# KiCad board ILM139C.kicad_pcb
title: ILM139CM RGB LED matrix; date: 24.04.2025.; rev: v0.1.0; company: EDrTech d.o.o.
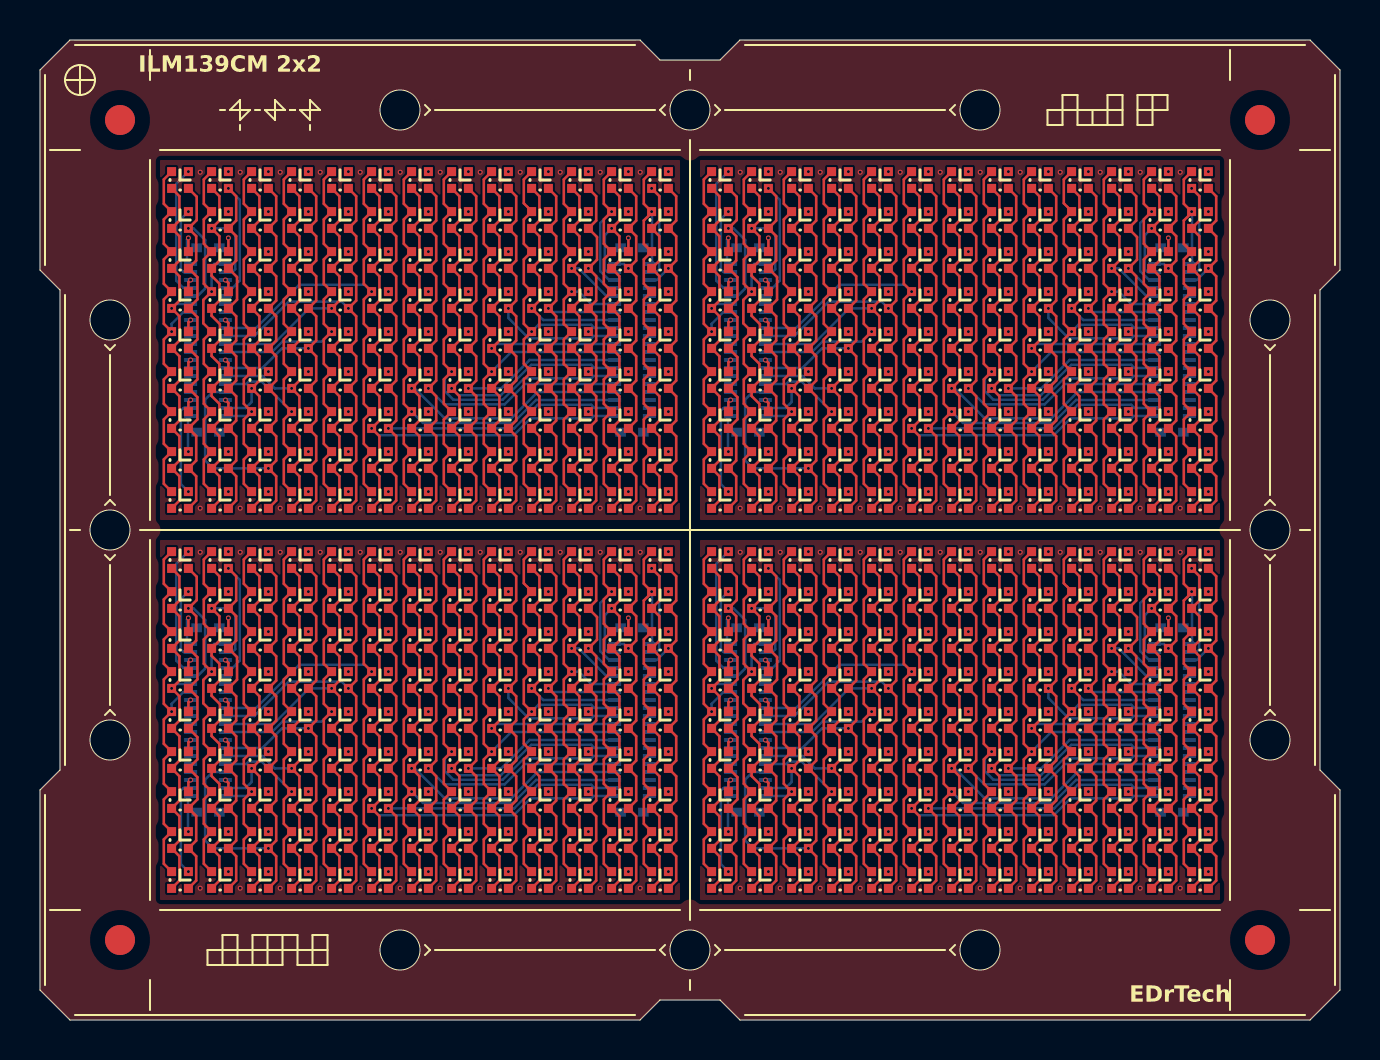
[diagram p0: board, top side]
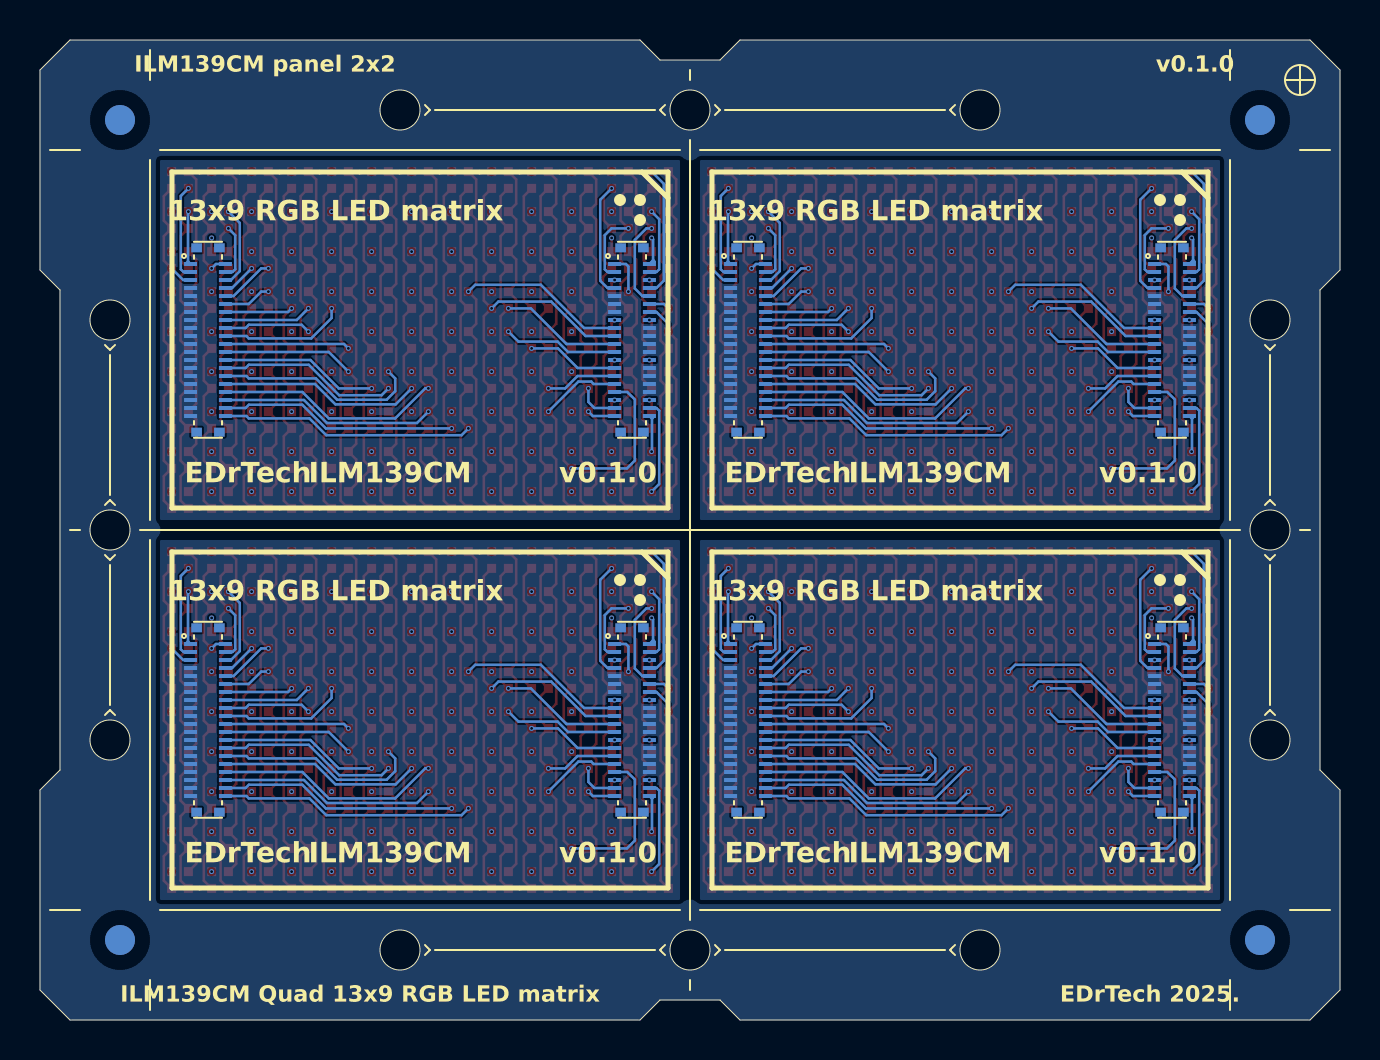
[diagram p1: board, bottom side, seen from below]

Outline 65 x 49 mm; copper layers: Top, In1.Cu, In2.Cu, Bottom. Coordinates in mm from the lower left corner of the outline.
Outline path: circle c3.5,35 r1 ; circle c3.5,24.5 r1 ; circle c3.5,14 r1 ; circle c18,45.5 r1 ; circle c18,3.5 r1 ; circle c32.5,45.5 r1 ; circle c32.5,3.5 r1 ; circle c47,45.5 r1 ; circle c47,3.5 r1 ; circle c61.5,35 r1 ; circle c61.5,24.5 r1 ; circle c61.5,14 r1 ; 0,47.5 1.5,49 30,49 31,48 34,48 35,49 63.5,49 65,47.5 65,37.5 64,36.5 64,12.5 65,11.5 65,1.5 63.5,0 35,0 34,1 31,1 30,0 1.5,0 0,1.5 0,11.5 1,12.5 1,36.5 0,37.5 0,47.5
Stack: Top 0.035mm / dielectric 0.2104mm FR4 er 4.5 / In1.Cu 0.0152mm / dielectric 0.25mm FR4 er 4.5 / In2.Cu 0.0152mm / dielectric 0.2104mm FR4 er 4.5 / Bottom 0.035mm

## Placement (name value [footprint] x y rotation side)
CN3  AXE640124D  [CONN-SMD_40P-P0.40_OK-14GM040-04]  29.6 15 270 bottom
CN3#2  AXE640124D  [CONN-SMD_40P-P0.40_OK-14GM040-04]  56.6 34 270 bottom
CN3#3  AXE640124D  [CONN-SMD_40P-P0.40_OK-14GM040-04]  29.6 34 270 bottom
CN3#4  AXE640124D  [CONN-SMD_40P-P0.40_OK-14GM040-04]  56.6 15 270 bottom
CN4  AXE640124D  [CONN-SMD_40P-P0.40_OK-14GM040-04]  8.4 15 270 bottom
CN4#2  AXE640124D  [CONN-SMD_40P-P0.40_OK-14GM040-04]  8.4 34 270 bottom
CN4#3  AXE640124D  [CONN-SMD_40P-P0.40_OK-14GM040-04]  35.4 15 270 bottom
CN4#4  AXE640124D  [CONN-SMD_40P-P0.40_OK-14GM040-04]  35.4 34 270 bottom
REF**  -  [Fiducial_1.5mm_Mask3mm]  4 4 0 top
REF**#2  -  [Fiducial_1.5mm_Mask3mm]  4 45 0 top
REF**#3  -  [Fiducial_1.5mm_Mask3mm]  61 4 0 top
REF**#4  -  [Fiducial_1.5mm_Mask3mm]  61 45 0 top
REF**#5  -  [Fiducial_1.5mm_Mask3mm]  4 45 180 bottom
REF**#6  -  [Fiducial_1.5mm_Mask3mm]  61 4 180 bottom
REF**#7  -  [Fiducial_1.5mm_Mask3mm]  4 4 180 bottom
REF**#8  -  [Fiducial_1.5mm_Mask3mm]  61 45 180 bottom
U2  XL-B1010RGBT-HF  [LED-SMD_4P-L1.0-W1.0-TR_1]  34 23 0 top
U2#2  XL-B1010RGBT-HF  [LED-SMD_4P-L1.0-W1.0-TR_1]  7 23 0 top
U2#3  XL-B1010RGBT-HF  [LED-SMD_4P-L1.0-W1.0-TR_1]  7 42 0 top
U2#4  XL-B1010RGBT-HF  [LED-SMD_4P-L1.0-W1.0-TR_1]  34 42 0 top
U3  XL-B1010RGBT-HF  [LED-SMD_4P-L1.0-W1.0-TR_1]  34 40 0 top
U3#2  XL-B1010RGBT-HF  [LED-SMD_4P-L1.0-W1.0-TR_1]  7 21 0 top
U3#3  XL-B1010RGBT-HF  [LED-SMD_4P-L1.0-W1.0-TR_1]  7 40 0 top
U3#4  XL-B1010RGBT-HF  [LED-SMD_4P-L1.0-W1.0-TR_1]  34 21 0 top
U4  XL-B1010RGBT-HF  [LED-SMD_4P-L1.0-W1.0-TR_1]  7 19 0 top
U4#2  XL-B1010RGBT-HF  [LED-SMD_4P-L1.0-W1.0-TR_1]  34 38 0 top
U4#3  XL-B1010RGBT-HF  [LED-SMD_4P-L1.0-W1.0-TR_1]  7 38 0 top
U4#4  XL-B1010RGBT-HF  [LED-SMD_4P-L1.0-W1.0-TR_1]  34 19 0 top
U5  XL-B1010RGBT-HF  [LED-SMD_4P-L1.0-W1.0-TR_1]  34 36 0 top
U5#2  XL-B1010RGBT-HF  [LED-SMD_4P-L1.0-W1.0-TR_1]  34 17 0 top
U5#3  XL-B1010RGBT-HF  [LED-SMD_4P-L1.0-W1.0-TR_1]  7 36 0 top
U5#4  XL-B1010RGBT-HF  [LED-SMD_4P-L1.0-W1.0-TR_1]  7 17 0 top
U6  XL-B1010RGBT-HF  [LED-SMD_4P-L1.0-W1.0-TR_1]  7 34 0 top
U6#2  XL-B1010RGBT-HF  [LED-SMD_4P-L1.0-W1.0-TR_1]  34 34 0 top
U6#3  XL-B1010RGBT-HF  [LED-SMD_4P-L1.0-W1.0-TR_1]  34 15 0 top
U6#4  XL-B1010RGBT-HF  [LED-SMD_4P-L1.0-W1.0-TR_1]  7 15 0 top
U7  XL-B1010RGBT-HF  [LED-SMD_4P-L1.0-W1.0-TR_1]  7 32 0 top
U7#2  XL-B1010RGBT-HF  [LED-SMD_4P-L1.0-W1.0-TR_1]  34 13 0 top
U7#3  XL-B1010RGBT-HF  [LED-SMD_4P-L1.0-W1.0-TR_1]  7 13 0 top
U7#4  XL-B1010RGBT-HF  [LED-SMD_4P-L1.0-W1.0-TR_1]  34 32 0 top
U8  XL-B1010RGBT-HF  [LED-SMD_4P-L1.0-W1.0-TR_1]  7 30 0 top
U8#2  XL-B1010RGBT-HF  [LED-SMD_4P-L1.0-W1.0-TR_1]  7 11 0 top
U8#3  XL-B1010RGBT-HF  [LED-SMD_4P-L1.0-W1.0-TR_1]  34 30 0 top
U8#4  XL-B1010RGBT-HF  [LED-SMD_4P-L1.0-W1.0-TR_1]  34 11 0 top
U9  XL-B1010RGBT-HF  [LED-SMD_4P-L1.0-W1.0-TR_1]  7 9 0 top
U9#2  XL-B1010RGBT-HF  [LED-SMD_4P-L1.0-W1.0-TR_1]  7 28 0 top
U9#3  XL-B1010RGBT-HF  [LED-SMD_4P-L1.0-W1.0-TR_1]  34 9 0 top
U9#4  XL-B1010RGBT-HF  [LED-SMD_4P-L1.0-W1.0-TR_1]  34 28 0 top
U10  XL-B1010RGBT-HF  [LED-SMD_4P-L1.0-W1.0-TR_1]  34 26 0 top
U10#2  XL-B1010RGBT-HF  [LED-SMD_4P-L1.0-W1.0-TR_1]  7 26 0 top
U10#3  XL-B1010RGBT-HF  [LED-SMD_4P-L1.0-W1.0-TR_1]  7 7 0 top
U10#4  XL-B1010RGBT-HF  [LED-SMD_4P-L1.0-W1.0-TR_1]  34 7 0 top
U11  XL-B1010RGBT-HF  [LED-SMD_4P-L1.0-W1.0-TR_1]  36 42 0 top
U11#2  XL-B1010RGBT-HF  [LED-SMD_4P-L1.0-W1.0-TR_1]  36 23 0 top
U11#3  XL-B1010RGBT-HF  [LED-SMD_4P-L1.0-W1.0-TR_1]  9 23 0 top
U11#4  XL-B1010RGBT-HF  [LED-SMD_4P-L1.0-W1.0-TR_1]  9 42 0 top
U12  XL-B1010RGBT-HF  [LED-SMD_4P-L1.0-W1.0-TR_1]  9 40 0 top
U12#2  XL-B1010RGBT-HF  [LED-SMD_4P-L1.0-W1.0-TR_1]  36 40 0 top
U12#3  XL-B1010RGBT-HF  [LED-SMD_4P-L1.0-W1.0-TR_1]  36 21 0 top
U12#4  XL-B1010RGBT-HF  [LED-SMD_4P-L1.0-W1.0-TR_1]  9 21 0 top
U13  XL-B1010RGBT-HF  [LED-SMD_4P-L1.0-W1.0-TR_1]  9 38 0 top
U13#2  XL-B1010RGBT-HF  [LED-SMD_4P-L1.0-W1.0-TR_1]  36 38 0 top
U13#3  XL-B1010RGBT-HF  [LED-SMD_4P-L1.0-W1.0-TR_1]  9 19 0 top
U13#4  XL-B1010RGBT-HF  [LED-SMD_4P-L1.0-W1.0-TR_1]  36 19 0 top
U14  XL-B1010RGBT-HF  [LED-SMD_4P-L1.0-W1.0-TR_1]  36 36 0 top
U14#2  XL-B1010RGBT-HF  [LED-SMD_4P-L1.0-W1.0-TR_1]  36 17 0 top
U14#3  XL-B1010RGBT-HF  [LED-SMD_4P-L1.0-W1.0-TR_1]  9 36 0 top
U14#4  XL-B1010RGBT-HF  [LED-SMD_4P-L1.0-W1.0-TR_1]  9 17 0 top
U15  XL-B1010RGBT-HF  [LED-SMD_4P-L1.0-W1.0-TR_1]  9 34 0 top
U15#2  XL-B1010RGBT-HF  [LED-SMD_4P-L1.0-W1.0-TR_1]  36 15 0 top
U15#3  XL-B1010RGBT-HF  [LED-SMD_4P-L1.0-W1.0-TR_1]  36 34 0 top
U15#4  XL-B1010RGBT-HF  [LED-SMD_4P-L1.0-W1.0-TR_1]  9 15 0 top
U16  XL-B1010RGBT-HF  [LED-SMD_4P-L1.0-W1.0-TR_1]  9 13 0 top
U16#2  XL-B1010RGBT-HF  [LED-SMD_4P-L1.0-W1.0-TR_1]  9 32 0 top
U16#3  XL-B1010RGBT-HF  [LED-SMD_4P-L1.0-W1.0-TR_1]  36 32 0 top
U16#4  XL-B1010RGBT-HF  [LED-SMD_4P-L1.0-W1.0-TR_1]  36 13 0 top
U17  XL-B1010RGBT-HF  [LED-SMD_4P-L1.0-W1.0-TR_1]  36 11 0 top
U17#2  XL-B1010RGBT-HF  [LED-SMD_4P-L1.0-W1.0-TR_1]  9 11 0 top
U17#3  XL-B1010RGBT-HF  [LED-SMD_4P-L1.0-W1.0-TR_1]  36 30 0 top
U17#4  XL-B1010RGBT-HF  [LED-SMD_4P-L1.0-W1.0-TR_1]  9 30 0 top
U18  XL-B1010RGBT-HF  [LED-SMD_4P-L1.0-W1.0-TR_1]  9 9 0 top
U18#2  XL-B1010RGBT-HF  [LED-SMD_4P-L1.0-W1.0-TR_1]  9 28 0 top
U18#3  XL-B1010RGBT-HF  [LED-SMD_4P-L1.0-W1.0-TR_1]  36 9 0 top
U18#4  XL-B1010RGBT-HF  [LED-SMD_4P-L1.0-W1.0-TR_1]  36 28 0 top
U19  XL-B1010RGBT-HF  [LED-SMD_4P-L1.0-W1.0-TR_1]  36 7 0 top
U19#2  XL-B1010RGBT-HF  [LED-SMD_4P-L1.0-W1.0-TR_1]  9 26 0 top
U19#3  XL-B1010RGBT-HF  [LED-SMD_4P-L1.0-W1.0-TR_1]  9 7 0 top
U19#4  XL-B1010RGBT-HF  [LED-SMD_4P-L1.0-W1.0-TR_1]  36 26 0 top
U20  XL-B1010RGBT-HF  [LED-SMD_4P-L1.0-W1.0-TR_1]  38 23 0 top
U20#2  XL-B1010RGBT-HF  [LED-SMD_4P-L1.0-W1.0-TR_1]  11 23 0 top
U20#3  XL-B1010RGBT-HF  [LED-SMD_4P-L1.0-W1.0-TR_1]  38 42 0 top
U20#4  XL-B1010RGBT-HF  [LED-SMD_4P-L1.0-W1.0-TR_1]  11 42 0 top
U21  XL-B1010RGBT-HF  [LED-SMD_4P-L1.0-W1.0-TR_1]  11 21 0 top
U21#2  XL-B1010RGBT-HF  [LED-SMD_4P-L1.0-W1.0-TR_1]  38 40 0 top
U21#3  XL-B1010RGBT-HF  [LED-SMD_4P-L1.0-W1.0-TR_1]  11 40 0 top
U21#4  XL-B1010RGBT-HF  [LED-SMD_4P-L1.0-W1.0-TR_1]  38 21 0 top
U22  XL-B1010RGBT-HF  [LED-SMD_4P-L1.0-W1.0-TR_1]  38 38 0 top
U22#2  XL-B1010RGBT-HF  [LED-SMD_4P-L1.0-W1.0-TR_1]  38 19 0 top
U22#3  XL-B1010RGBT-HF  [LED-SMD_4P-L1.0-W1.0-TR_1]  11 19 0 top
U22#4  XL-B1010RGBT-HF  [LED-SMD_4P-L1.0-W1.0-TR_1]  11 38 0 top
U23  XL-B1010RGBT-HF  [LED-SMD_4P-L1.0-W1.0-TR_1]  38 17 0 top
U23#2  XL-B1010RGBT-HF  [LED-SMD_4P-L1.0-W1.0-TR_1]  38 36 0 top
U23#3  XL-B1010RGBT-HF  [LED-SMD_4P-L1.0-W1.0-TR_1]  11 17 0 top
U23#4  XL-B1010RGBT-HF  [LED-SMD_4P-L1.0-W1.0-TR_1]  11 36 0 top
U24  XL-B1010RGBT-HF  [LED-SMD_4P-L1.0-W1.0-TR_1]  38 15 0 top
U24#2  XL-B1010RGBT-HF  [LED-SMD_4P-L1.0-W1.0-TR_1]  11 34 0 top
U24#3  XL-B1010RGBT-HF  [LED-SMD_4P-L1.0-W1.0-TR_1]  11 15 0 top
U24#4  XL-B1010RGBT-HF  [LED-SMD_4P-L1.0-W1.0-TR_1]  38 34 0 top
U25  XL-B1010RGBT-HF  [LED-SMD_4P-L1.0-W1.0-TR_1]  11 13 0 top
U25#2  XL-B1010RGBT-HF  [LED-SMD_4P-L1.0-W1.0-TR_1]  38 32 0 top
U25#3  XL-B1010RGBT-HF  [LED-SMD_4P-L1.0-W1.0-TR_1]  38 13 0 top
U25#4  XL-B1010RGBT-HF  [LED-SMD_4P-L1.0-W1.0-TR_1]  11 32 0 top
U26  XL-B1010RGBT-HF  [LED-SMD_4P-L1.0-W1.0-TR_1]  38 11 0 top
U26#2  XL-B1010RGBT-HF  [LED-SMD_4P-L1.0-W1.0-TR_1]  11 11 0 top
U26#3  XL-B1010RGBT-HF  [LED-SMD_4P-L1.0-W1.0-TR_1]  38 30 0 top
U26#4  XL-B1010RGBT-HF  [LED-SMD_4P-L1.0-W1.0-TR_1]  11 30 0 top
U27  XL-B1010RGBT-HF  [LED-SMD_4P-L1.0-W1.0-TR_1]  11 28 0 top
U27#2  XL-B1010RGBT-HF  [LED-SMD_4P-L1.0-W1.0-TR_1]  11 9 0 top
U27#3  XL-B1010RGBT-HF  [LED-SMD_4P-L1.0-W1.0-TR_1]  38 28 0 top
U27#4  XL-B1010RGBT-HF  [LED-SMD_4P-L1.0-W1.0-TR_1]  38 9 0 top
U28  XL-B1010RGBT-HF  [LED-SMD_4P-L1.0-W1.0-TR_1]  38 7 0 top
U28#2  XL-B1010RGBT-HF  [LED-SMD_4P-L1.0-W1.0-TR_1]  11 26 0 top
U28#3  XL-B1010RGBT-HF  [LED-SMD_4P-L1.0-W1.0-TR_1]  11 7 0 top
U28#4  XL-B1010RGBT-HF  [LED-SMD_4P-L1.0-W1.0-TR_1]  38 26 0 top
U29  XL-B1010RGBT-HF  [LED-SMD_4P-L1.0-W1.0-TR_1]  17 23 0 top
U29#2  XL-B1010RGBT-HF  [LED-SMD_4P-L1.0-W1.0-TR_1]  44 23 0 top
U29#3  XL-B1010RGBT-HF  [LED-SMD_4P-L1.0-W1.0-TR_1]  17 42 0 top
U29#4  XL-B1010RGBT-HF  [LED-SMD_4P-L1.0-W1.0-TR_1]  44 42 0 top
U30  XL-B1010RGBT-HF  [LED-SMD_4P-L1.0-W1.0-TR_1]  42 42 0 top
U30#2  XL-B1010RGBT-HF  [LED-SMD_4P-L1.0-W1.0-TR_1]  15 23 0 top
U30#3  XL-B1010RGBT-HF  [LED-SMD_4P-L1.0-W1.0-TR_1]  15 42 0 top
U30#4  XL-B1010RGBT-HF  [LED-SMD_4P-L1.0-W1.0-TR_1]  42 23 0 top
U31  XL-B1010RGBT-HF  [LED-SMD_4P-L1.0-W1.0-TR_1]  40 42 0 top
U31#2  XL-B1010RGBT-HF  [LED-SMD_4P-L1.0-W1.0-TR_1]  13 23 0 top
U31#3  XL-B1010RGBT-HF  [LED-SMD_4P-L1.0-W1.0-TR_1]  13 42 0 top
U31#4  XL-B1010RGBT-HF  [LED-SMD_4P-L1.0-W1.0-TR_1]  40 23 0 top
U32  XL-B1010RGBT-HF  [LED-SMD_4P-L1.0-W1.0-TR_1]  17 21 0 top
U32#2  XL-B1010RGBT-HF  [LED-SMD_4P-L1.0-W1.0-TR_1]  17 40 0 top
U32#3  XL-B1010RGBT-HF  [LED-SMD_4P-L1.0-W1.0-TR_1]  44 21 0 top
U32#4  XL-B1010RGBT-HF  [LED-SMD_4P-L1.0-W1.0-TR_1]  44 40 0 top
U33  XL-B1010RGBT-HF  [LED-SMD_4P-L1.0-W1.0-TR_1]  42 21 0 top
U33#2  XL-B1010RGBT-HF  [LED-SMD_4P-L1.0-W1.0-TR_1]  15 21 0 top
U33#3  XL-B1010RGBT-HF  [LED-SMD_4P-L1.0-W1.0-TR_1]  42 40 0 top
U33#4  XL-B1010RGBT-HF  [LED-SMD_4P-L1.0-W1.0-TR_1]  15 40 0 top
U34  XL-B1010RGBT-HF  [LED-SMD_4P-L1.0-W1.0-TR_1]  40 21 0 top
U34#2  XL-B1010RGBT-HF  [LED-SMD_4P-L1.0-W1.0-TR_1]  13 21 0 top
U34#3  XL-B1010RGBT-HF  [LED-SMD_4P-L1.0-W1.0-TR_1]  40 40 0 top
U34#4  XL-B1010RGBT-HF  [LED-SMD_4P-L1.0-W1.0-TR_1]  13 40 0 top
U35  XL-B1010RGBT-HF  [LED-SMD_4P-L1.0-W1.0-TR_1]  17 38 0 top
U35#2  XL-B1010RGBT-HF  [LED-SMD_4P-L1.0-W1.0-TR_1]  44 19 0 top
U35#3  XL-B1010RGBT-HF  [LED-SMD_4P-L1.0-W1.0-TR_1]  17 19 0 top
U35#4  XL-B1010RGBT-HF  [LED-SMD_4P-L1.0-W1.0-TR_1]  44 38 0 top
U36  XL-B1010RGBT-HF  [LED-SMD_4P-L1.0-W1.0-TR_1]  15 19 0 top
U36#2  XL-B1010RGBT-HF  [LED-SMD_4P-L1.0-W1.0-TR_1]  42 38 0 top
U36#3  XL-B1010RGBT-HF  [LED-SMD_4P-L1.0-W1.0-TR_1]  15 38 0 top
U36#4  XL-B1010RGBT-HF  [LED-SMD_4P-L1.0-W1.0-TR_1]  42 19 0 top
U37  XL-B1010RGBT-HF  [LED-SMD_4P-L1.0-W1.0-TR_1]  40 38 0 top
U37#2  XL-B1010RGBT-HF  [LED-SMD_4P-L1.0-W1.0-TR_1]  13 38 0 top
U37#3  XL-B1010RGBT-HF  [LED-SMD_4P-L1.0-W1.0-TR_1]  13 19 0 top
U37#4  XL-B1010RGBT-HF  [LED-SMD_4P-L1.0-W1.0-TR_1]  40 19 0 top
U38  XL-B1010RGBT-HF  [LED-SMD_4P-L1.0-W1.0-TR_1]  17 17 0 top
U38#2  XL-B1010RGBT-HF  [LED-SMD_4P-L1.0-W1.0-TR_1]  44 17 0 top
U38#3  XL-B1010RGBT-HF  [LED-SMD_4P-L1.0-W1.0-TR_1]  44 36 0 top
U38#4  XL-B1010RGBT-HF  [LED-SMD_4P-L1.0-W1.0-TR_1]  17 36 0 top
U39  XL-B1010RGBT-HF  [LED-SMD_4P-L1.0-W1.0-TR_1]  15 17 0 top
U39#2  XL-B1010RGBT-HF  [LED-SMD_4P-L1.0-W1.0-TR_1]  42 36 0 top
U39#3  XL-B1010RGBT-HF  [LED-SMD_4P-L1.0-W1.0-TR_1]  42 17 0 top
U39#4  XL-B1010RGBT-HF  [LED-SMD_4P-L1.0-W1.0-TR_1]  15 36 0 top
U40  XL-B1010RGBT-HF  [LED-SMD_4P-L1.0-W1.0-TR_1]  13 36 0 top
U40#2  XL-B1010RGBT-HF  [LED-SMD_4P-L1.0-W1.0-TR_1]  13 17 0 top
U40#3  XL-B1010RGBT-HF  [LED-SMD_4P-L1.0-W1.0-TR_1]  40 17 0 top
U40#4  XL-B1010RGBT-HF  [LED-SMD_4P-L1.0-W1.0-TR_1]  40 36 0 top
U41  XL-B1010RGBT-HF  [LED-SMD_4P-L1.0-W1.0-TR_1]  17 15 0 top
U41#2  XL-B1010RGBT-HF  [LED-SMD_4P-L1.0-W1.0-TR_1]  17 34 0 top
U41#3  XL-B1010RGBT-HF  [LED-SMD_4P-L1.0-W1.0-TR_1]  44 34 0 top
U41#4  XL-B1010RGBT-HF  [LED-SMD_4P-L1.0-W1.0-TR_1]  44 15 0 top
U42  XL-B1010RGBT-HF  [LED-SMD_4P-L1.0-W1.0-TR_1]  42 34 0 top
U42#2  XL-B1010RGBT-HF  [LED-SMD_4P-L1.0-W1.0-TR_1]  15 15 0 top
U42#3  XL-B1010RGBT-HF  [LED-SMD_4P-L1.0-W1.0-TR_1]  15 34 0 top
U42#4  XL-B1010RGBT-HF  [LED-SMD_4P-L1.0-W1.0-TR_1]  42 15 0 top
U43  XL-B1010RGBT-HF  [LED-SMD_4P-L1.0-W1.0-TR_1]  40 34 0 top
U43#2  XL-B1010RGBT-HF  [LED-SMD_4P-L1.0-W1.0-TR_1]  40 15 0 top
U43#3  XL-B1010RGBT-HF  [LED-SMD_4P-L1.0-W1.0-TR_1]  13 15 0 top
U43#4  XL-B1010RGBT-HF  [LED-SMD_4P-L1.0-W1.0-TR_1]  13 34 0 top
U44  XL-B1010RGBT-HF  [LED-SMD_4P-L1.0-W1.0-TR_1]  17 13 0 top
U44#2  XL-B1010RGBT-HF  [LED-SMD_4P-L1.0-W1.0-TR_1]  17 32 0 top
U44#3  XL-B1010RGBT-HF  [LED-SMD_4P-L1.0-W1.0-TR_1]  44 32 0 top
U44#4  XL-B1010RGBT-HF  [LED-SMD_4P-L1.0-W1.0-TR_1]  44 13 0 top
U45  XL-B1010RGBT-HF  [LED-SMD_4P-L1.0-W1.0-TR_1]  42 32 0 top
U45#2  XL-B1010RGBT-HF  [LED-SMD_4P-L1.0-W1.0-TR_1]  15 13 0 top
U45#3  XL-B1010RGBT-HF  [LED-SMD_4P-L1.0-W1.0-TR_1]  15 32 0 top
U45#4  XL-B1010RGBT-HF  [LED-SMD_4P-L1.0-W1.0-TR_1]  42 13 0 top
U46  XL-B1010RGBT-HF  [LED-SMD_4P-L1.0-W1.0-TR_1]  40 32 0 top
U46#2  XL-B1010RGBT-HF  [LED-SMD_4P-L1.0-W1.0-TR_1]  40 13 0 top
U46#3  XL-B1010RGBT-HF  [LED-SMD_4P-L1.0-W1.0-TR_1]  13 32 0 top
U46#4  XL-B1010RGBT-HF  [LED-SMD_4P-L1.0-W1.0-TR_1]  13 13 0 top
U47  XL-B1010RGBT-HF  [LED-SMD_4P-L1.0-W1.0-TR_1]  44 11 0 top
U47#2  XL-B1010RGBT-HF  [LED-SMD_4P-L1.0-W1.0-TR_1]  17 30 0 top
U47#3  XL-B1010RGBT-HF  [LED-SMD_4P-L1.0-W1.0-TR_1]  17 11 0 top
U47#4  XL-B1010RGBT-HF  [LED-SMD_4P-L1.0-W1.0-TR_1]  44 30 0 top
U48  XL-B1010RGBT-HF  [LED-SMD_4P-L1.0-W1.0-TR_1]  42 11 0 top
U48#2  XL-B1010RGBT-HF  [LED-SMD_4P-L1.0-W1.0-TR_1]  15 30 0 top
U48#3  XL-B1010RGBT-HF  [LED-SMD_4P-L1.0-W1.0-TR_1]  42 30 0 top
U48#4  XL-B1010RGBT-HF  [LED-SMD_4P-L1.0-W1.0-TR_1]  15 11 0 top
U49  XL-B1010RGBT-HF  [LED-SMD_4P-L1.0-W1.0-TR_1]  13 30 0 top
U49#2  XL-B1010RGBT-HF  [LED-SMD_4P-L1.0-W1.0-TR_1]  40 30 0 top
U49#3  XL-B1010RGBT-HF  [LED-SMD_4P-L1.0-W1.0-TR_1]  40 11 0 top
U49#4  XL-B1010RGBT-HF  [LED-SMD_4P-L1.0-W1.0-TR_1]  13 11 0 top
U50  XL-B1010RGBT-HF  [LED-SMD_4P-L1.0-W1.0-TR_1]  44 9 0 top
U50#2  XL-B1010RGBT-HF  [LED-SMD_4P-L1.0-W1.0-TR_1]  17 9 0 top
U50#3  XL-B1010RGBT-HF  [LED-SMD_4P-L1.0-W1.0-TR_1]  17 28 0 top
U50#4  XL-B1010RGBT-HF  [LED-SMD_4P-L1.0-W1.0-TR_1]  44 28 0 top
U51  XL-B1010RGBT-HF  [LED-SMD_4P-L1.0-W1.0-TR_1]  15 9 0 top
U51#2  XL-B1010RGBT-HF  [LED-SMD_4P-L1.0-W1.0-TR_1]  42 28 0 top
U51#3  XL-B1010RGBT-HF  [LED-SMD_4P-L1.0-W1.0-TR_1]  15 28 0 top
U51#4  XL-B1010RGBT-HF  [LED-SMD_4P-L1.0-W1.0-TR_1]  42 9 0 top
U52  XL-B1010RGBT-HF  [LED-SMD_4P-L1.0-W1.0-TR_1]  40 28 0 top
U52#2  XL-B1010RGBT-HF  [LED-SMD_4P-L1.0-W1.0-TR_1]  40 9 0 top
U52#3  XL-B1010RGBT-HF  [LED-SMD_4P-L1.0-W1.0-TR_1]  13 28 0 top
U52#4  XL-B1010RGBT-HF  [LED-SMD_4P-L1.0-W1.0-TR_1]  13 9 0 top
U53  XL-B1010RGBT-HF  [LED-SMD_4P-L1.0-W1.0-TR_1]  44 26 0 top
U53#2  XL-B1010RGBT-HF  [LED-SMD_4P-L1.0-W1.0-TR_1]  17 26 0 top
U53#3  XL-B1010RGBT-HF  [LED-SMD_4P-L1.0-W1.0-TR_1]  17 7 0 top
U53#4  XL-B1010RGBT-HF  [LED-SMD_4P-L1.0-W1.0-TR_1]  44 7 0 top
U54  XL-B1010RGBT-HF  [LED-SMD_4P-L1.0-W1.0-TR_1]  15 7 0 top
U54#2  XL-B1010RGBT-HF  [LED-SMD_4P-L1.0-W1.0-TR_1]  15 26 0 top
U54#3  XL-B1010RGBT-HF  [LED-SMD_4P-L1.0-W1.0-TR_1]  42 26 0 top
U54#4  XL-B1010RGBT-HF  [LED-SMD_4P-L1.0-W1.0-TR_1]  42 7 0 top
U55  XL-B1010RGBT-HF  [LED-SMD_4P-L1.0-W1.0-TR_1]  13 7 0 top
U55#2  XL-B1010RGBT-HF  [LED-SMD_4P-L1.0-W1.0-TR_1]  13 26 0 top
U55#3  XL-B1010RGBT-HF  [LED-SMD_4P-L1.0-W1.0-TR_1]  40 7 0 top
U55#4  XL-B1010RGBT-HF  [LED-SMD_4P-L1.0-W1.0-TR_1]  40 26 0 top
U56  XL-B1010RGBT-HF  [LED-SMD_4P-L1.0-W1.0-TR_1]  23 23 0 top
U56#2  XL-B1010RGBT-HF  [LED-SMD_4P-L1.0-W1.0-TR_1]  23 42 0 top
U56#3  XL-B1010RGBT-HF  [LED-SMD_4P-L1.0-W1.0-TR_1]  50 23 0 top
U56#4  XL-B1010RGBT-HF  [LED-SMD_4P-L1.0-W1.0-TR_1]  50 42 0 top
U57  XL-B1010RGBT-HF  [LED-SMD_4P-L1.0-W1.0-TR_1]  21 42 0 top
U57#2  XL-B1010RGBT-HF  [LED-SMD_4P-L1.0-W1.0-TR_1]  48 42 0 top
U57#3  XL-B1010RGBT-HF  [LED-SMD_4P-L1.0-W1.0-TR_1]  48 23 0 top
U57#4  XL-B1010RGBT-HF  [LED-SMD_4P-L1.0-W1.0-TR_1]  21 23 0 top
U58  XL-B1010RGBT-HF  [LED-SMD_4P-L1.0-W1.0-TR_1]  19 23 0 top
U58#2  XL-B1010RGBT-HF  [LED-SMD_4P-L1.0-W1.0-TR_1]  46 23 0 top
U58#3  XL-B1010RGBT-HF  [LED-SMD_4P-L1.0-W1.0-TR_1]  46 42 0 top
U58#4  XL-B1010RGBT-HF  [LED-SMD_4P-L1.0-W1.0-TR_1]  19 42 0 top
U59  XL-B1010RGBT-HF  [LED-SMD_4P-L1.0-W1.0-TR_1]  23 40 0 top
U59#2  XL-B1010RGBT-HF  [LED-SMD_4P-L1.0-W1.0-TR_1]  50 21 0 top
U59#3  XL-B1010RGBT-HF  [LED-SMD_4P-L1.0-W1.0-TR_1]  23 21 0 top
U59#4  XL-B1010RGBT-HF  [LED-SMD_4P-L1.0-W1.0-TR_1]  50 40 0 top
U60  XL-B1010RGBT-HF  [LED-SMD_4P-L1.0-W1.0-TR_1]  21 40 0 top
U60#2  XL-B1010RGBT-HF  [LED-SMD_4P-L1.0-W1.0-TR_1]  48 21 0 top
U60#3  XL-B1010RGBT-HF  [LED-SMD_4P-L1.0-W1.0-TR_1]  48 40 0 top
U60#4  XL-B1010RGBT-HF  [LED-SMD_4P-L1.0-W1.0-TR_1]  21 21 0 top
U61  XL-B1010RGBT-HF  [LED-SMD_4P-L1.0-W1.0-TR_1]  46 21 0 top
U61#2  XL-B1010RGBT-HF  [LED-SMD_4P-L1.0-W1.0-TR_1]  46 40 0 top
U61#3  XL-B1010RGBT-HF  [LED-SMD_4P-L1.0-W1.0-TR_1]  19 40 0 top
U61#4  XL-B1010RGBT-HF  [LED-SMD_4P-L1.0-W1.0-TR_1]  19 21 0 top
U62  XL-B1010RGBT-HF  [LED-SMD_4P-L1.0-W1.0-TR_1]  50 38 0 top
U62#2  XL-B1010RGBT-HF  [LED-SMD_4P-L1.0-W1.0-TR_1]  23 19 0 top
U62#3  XL-B1010RGBT-HF  [LED-SMD_4P-L1.0-W1.0-TR_1]  23 38 0 top
U62#4  XL-B1010RGBT-HF  [LED-SMD_4P-L1.0-W1.0-TR_1]  50 19 0 top
U63  XL-B1010RGBT-HF  [LED-SMD_4P-L1.0-W1.0-TR_1]  21 19 0 top
U63#2  XL-B1010RGBT-HF  [LED-SMD_4P-L1.0-W1.0-TR_1]  48 38 0 top
U63#3  XL-B1010RGBT-HF  [LED-SMD_4P-L1.0-W1.0-TR_1]  21 38 0 top
U63#4  XL-B1010RGBT-HF  [LED-SMD_4P-L1.0-W1.0-TR_1]  48 19 0 top
U64  XL-B1010RGBT-HF  [LED-SMD_4P-L1.0-W1.0-TR_1]  19 38 0 top
U64#2  XL-B1010RGBT-HF  [LED-SMD_4P-L1.0-W1.0-TR_1]  46 38 0 top
U64#3  XL-B1010RGBT-HF  [LED-SMD_4P-L1.0-W1.0-TR_1]  19 19 0 top
U64#4  XL-B1010RGBT-HF  [LED-SMD_4P-L1.0-W1.0-TR_1]  46 19 0 top
U65  XL-B1010RGBT-HF  [LED-SMD_4P-L1.0-W1.0-TR_1]  23 17 0 top
U65#2  XL-B1010RGBT-HF  [LED-SMD_4P-L1.0-W1.0-TR_1]  50 17 0 top
U65#3  XL-B1010RGBT-HF  [LED-SMD_4P-L1.0-W1.0-TR_1]  23 36 0 top
U65#4  XL-B1010RGBT-HF  [LED-SMD_4P-L1.0-W1.0-TR_1]  50 36 0 top
U66  XL-B1010RGBT-HF  [LED-SMD_4P-L1.0-W1.0-TR_1]  21 36 0 top
U66#2  XL-B1010RGBT-HF  [LED-SMD_4P-L1.0-W1.0-TR_1]  21 17 0 top
U66#3  XL-B1010RGBT-HF  [LED-SMD_4P-L1.0-W1.0-TR_1]  48 17 0 top
U66#4  XL-B1010RGBT-HF  [LED-SMD_4P-L1.0-W1.0-TR_1]  48 36 0 top
U67  XL-B1010RGBT-HF  [LED-SMD_4P-L1.0-W1.0-TR_1]  19 36 0 top
U67#2  XL-B1010RGBT-HF  [LED-SMD_4P-L1.0-W1.0-TR_1]  46 17 0 top
U67#3  XL-B1010RGBT-HF  [LED-SMD_4P-L1.0-W1.0-TR_1]  19 17 0 top
U67#4  XL-B1010RGBT-HF  [LED-SMD_4P-L1.0-W1.0-TR_1]  46 36 0 top
U68  XL-B1010RGBT-HF  [LED-SMD_4P-L1.0-W1.0-TR_1]  23 15 0 top
U68#2  XL-B1010RGBT-HF  [LED-SMD_4P-L1.0-W1.0-TR_1]  50 34 0 top
U68#3  XL-B1010RGBT-HF  [LED-SMD_4P-L1.0-W1.0-TR_1]  50 15 0 top
U68#4  XL-B1010RGBT-HF  [LED-SMD_4P-L1.0-W1.0-TR_1]  23 34 0 top
U69  XL-B1010RGBT-HF  [LED-SMD_4P-L1.0-W1.0-TR_1]  21 15 0 top
U69#2  XL-B1010RGBT-HF  [LED-SMD_4P-L1.0-W1.0-TR_1]  48 15 0 top
U69#3  XL-B1010RGBT-HF  [LED-SMD_4P-L1.0-W1.0-TR_1]  21 34 0 top
U69#4  XL-B1010RGBT-HF  [LED-SMD_4P-L1.0-W1.0-TR_1]  48 34 0 top
U70  XL-B1010RGBT-HF  [LED-SMD_4P-L1.0-W1.0-TR_1]  19 15 0 top
U70#2  XL-B1010RGBT-HF  [LED-SMD_4P-L1.0-W1.0-TR_1]  19 34 0 top
U70#3  XL-B1010RGBT-HF  [LED-SMD_4P-L1.0-W1.0-TR_1]  46 15 0 top
U70#4  XL-B1010RGBT-HF  [LED-SMD_4P-L1.0-W1.0-TR_1]  46 34 0 top
U71  XL-B1010RGBT-HF  [LED-SMD_4P-L1.0-W1.0-TR_1]  50 32 0 top
U71#2  XL-B1010RGBT-HF  [LED-SMD_4P-L1.0-W1.0-TR_1]  23 13 0 top
U71#3  XL-B1010RGBT-HF  [LED-SMD_4P-L1.0-W1.0-TR_1]  50 13 0 top
U71#4  XL-B1010RGBT-HF  [LED-SMD_4P-L1.0-W1.0-TR_1]  23 32 0 top
U72  XL-B1010RGBT-HF  [LED-SMD_4P-L1.0-W1.0-TR_1]  21 32 0 top
U72#2  XL-B1010RGBT-HF  [LED-SMD_4P-L1.0-W1.0-TR_1]  48 13 0 top
U72#3  XL-B1010RGBT-HF  [LED-SMD_4P-L1.0-W1.0-TR_1]  21 13 0 top
U72#4  XL-B1010RGBT-HF  [LED-SMD_4P-L1.0-W1.0-TR_1]  48 32 0 top
U73  XL-B1010RGBT-HF  [LED-SMD_4P-L1.0-W1.0-TR_1]  19 32 0 top
U73#2  XL-B1010RGBT-HF  [LED-SMD_4P-L1.0-W1.0-TR_1]  46 13 0 top
U73#3  XL-B1010RGBT-HF  [LED-SMD_4P-L1.0-W1.0-TR_1]  19 13 0 top
U73#4  XL-B1010RGBT-HF  [LED-SMD_4P-L1.0-W1.0-TR_1]  46 32 0 top
U74  XL-B1010RGBT-HF  [LED-SMD_4P-L1.0-W1.0-TR_1]  23 11 0 top
U74#2  XL-B1010RGBT-HF  [LED-SMD_4P-L1.0-W1.0-TR_1]  23 30 0 top
U74#3  XL-B1010RGBT-HF  [LED-SMD_4P-L1.0-W1.0-TR_1]  50 30 0 top
U74#4  XL-B1010RGBT-HF  [LED-SMD_4P-L1.0-W1.0-TR_1]  50 11 0 top
U75  XL-B1010RGBT-HF  [LED-SMD_4P-L1.0-W1.0-TR_1]  48 30 0 top
U75#2  XL-B1010RGBT-HF  [LED-SMD_4P-L1.0-W1.0-TR_1]  48 11 0 top
U75#3  XL-B1010RGBT-HF  [LED-SMD_4P-L1.0-W1.0-TR_1]  21 30 0 top
U75#4  XL-B1010RGBT-HF  [LED-SMD_4P-L1.0-W1.0-TR_1]  21 11 0 top
U76  XL-B1010RGBT-HF  [LED-SMD_4P-L1.0-W1.0-TR_1]  19 11 0 top
U76#2  XL-B1010RGBT-HF  [LED-SMD_4P-L1.0-W1.0-TR_1]  46 11 0 top
U76#3  XL-B1010RGBT-HF  [LED-SMD_4P-L1.0-W1.0-TR_1]  19 30 0 top
U76#4  XL-B1010RGBT-HF  [LED-SMD_4P-L1.0-W1.0-TR_1]  46 30 0 top
U77  XL-B1010RGBT-HF  [LED-SMD_4P-L1.0-W1.0-TR_1]  23 28 0 top
U77#2  XL-B1010RGBT-HF  [LED-SMD_4P-L1.0-W1.0-TR_1]  50 9 0 top
U77#3  XL-B1010RGBT-HF  [LED-SMD_4P-L1.0-W1.0-TR_1]  23 9 0 top
U77#4  XL-B1010RGBT-HF  [LED-SMD_4P-L1.0-W1.0-TR_1]  50 28 0 top
U78  XL-B1010RGBT-HF  [LED-SMD_4P-L1.0-W1.0-TR_1]  48 28 0 top
U78#2  XL-B1010RGBT-HF  [LED-SMD_4P-L1.0-W1.0-TR_1]  21 9 0 top
U78#3  XL-B1010RGBT-HF  [LED-SMD_4P-L1.0-W1.0-TR_1]  48 9 0 top
U78#4  XL-B1010RGBT-HF  [LED-SMD_4P-L1.0-W1.0-TR_1]  21 28 0 top
U79  XL-B1010RGBT-HF  [LED-SMD_4P-L1.0-W1.0-TR_1]  19 9 0 top
U79#2  XL-B1010RGBT-HF  [LED-SMD_4P-L1.0-W1.0-TR_1]  46 28 0 top
U79#3  XL-B1010RGBT-HF  [LED-SMD_4P-L1.0-W1.0-TR_1]  46 9 0 top
U79#4  XL-B1010RGBT-HF  [LED-SMD_4P-L1.0-W1.0-TR_1]  19 28 0 top
U80  XL-B1010RGBT-HF  [LED-SMD_4P-L1.0-W1.0-TR_1]  23 26 0 top
U80#2  XL-B1010RGBT-HF  [LED-SMD_4P-L1.0-W1.0-TR_1]  50 26 0 top
U80#3  XL-B1010RGBT-HF  [LED-SMD_4P-L1.0-W1.0-TR_1]  23 7 0 top
U80#4  XL-B1010RGBT-HF  [LED-SMD_4P-L1.0-W1.0-TR_1]  50 7 0 top
U81  XL-B1010RGBT-HF  [LED-SMD_4P-L1.0-W1.0-TR_1]  21 7 0 top
U81#2  XL-B1010RGBT-HF  [LED-SMD_4P-L1.0-W1.0-TR_1]  48 7 0 top
U81#3  XL-B1010RGBT-HF  [LED-SMD_4P-L1.0-W1.0-TR_1]  21 26 0 top
U81#4  XL-B1010RGBT-HF  [LED-SMD_4P-L1.0-W1.0-TR_1]  48 26 0 top
U82  XL-B1010RGBT-HF  [LED-SMD_4P-L1.0-W1.0-TR_1]  19 7 0 top
U82#2  XL-B1010RGBT-HF  [LED-SMD_4P-L1.0-W1.0-TR_1]  46 26 0 top
U82#3  XL-B1010RGBT-HF  [LED-SMD_4P-L1.0-W1.0-TR_1]  19 26 0 top